# Altium PCB VESC_DEVICE_75100.PcbDoc (part 3 of 3)
Units mm, origin at the board's own origin, x right, y up, seen from the top; angles counter-clockwise.
Board outline 72 x 52 mm, 4 copper layers (TOP, LAYER_1, LAYER_2, BOTTOM), stack 1.578 mm thick; 217 components, 137 nets, 680 pads, 885 vias.
Unrouted connection lines stored in the file: 1.
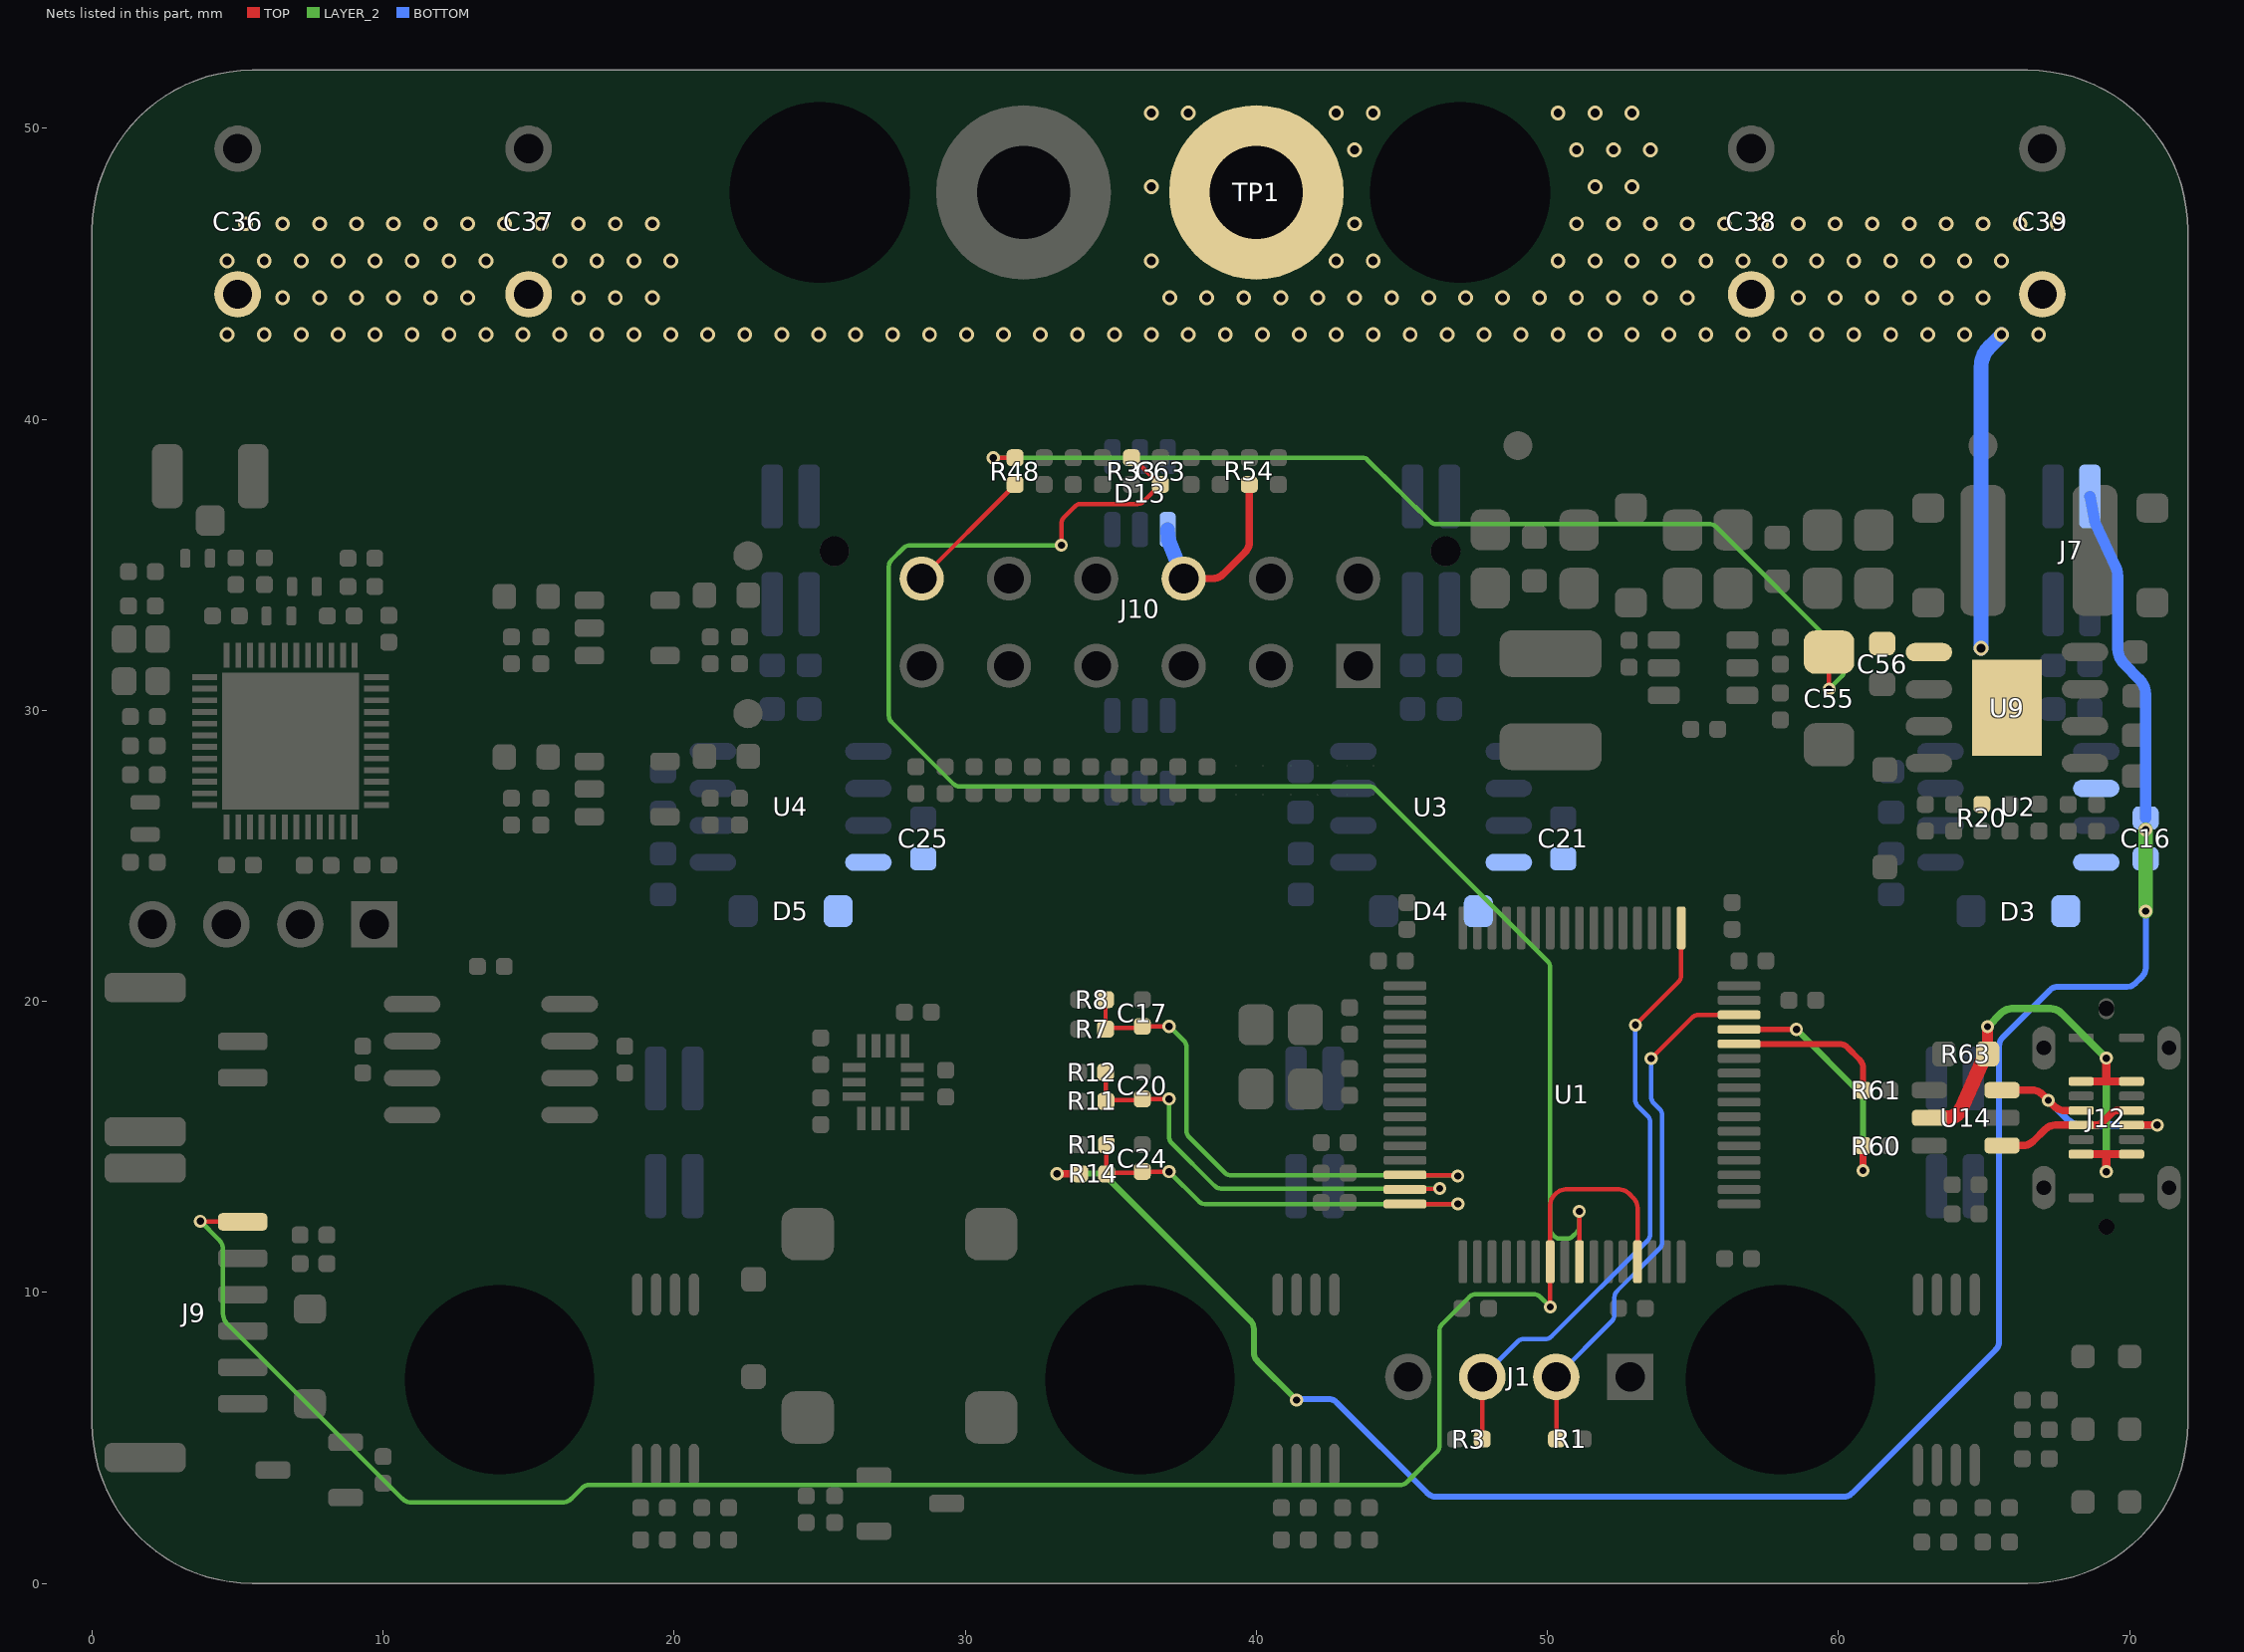
[diagram p5: the nets of this part, all layers, seen from the top]

## Via types
v1: diameter 0.508, hole 0.305, TOP to BOTTOM, tented both sides, 556 vias
v2: diameter 0.45, hole 0.25, TOP to BOTTOM, tented both sides, 325 vias
v3: diameter 0.65, hole 0.45, TOP to BOTTOM, tented both sides, 4 vias

## Nets (pads, with @x,y where several pads share a name; then routed paths per layer and width w, separated by ;. In a path a pad name is that pad's centre, name@x,y a point inside that pad or via, vN(x,y) a via of type N, cw(c..) or ccw(c..) an arc to the next point about the centre after c; other vN are vias at no path point) (continued)
SHC_G: C16.1 J7.2 R14.2 U2.6 | length 73.4
  TOP w0.254: v2(33.15,14.078) 33.152,14.076 33.93,14.076 R14.2@33.932,14.074
  LAYER_2 w0.203: v2(33.15,14.078) 34.579,14.078 cw(c34.579,13.671) 34.866,13.959 39.791,9.034 cw(c39.504,8.746) 39.91,8.746 39.91,7.935 ccw(c40.317,7.935) 40.029,7.648 v2(41.377,6.3)
  LAYER_2 w0.508: v2(70.551,23.1) v2(70.55,25.901)
  BOTTOM w0.203: v2(41.377,6.3) cw(c41.554,5.934) 41.554,6.341 42.467,6.341 cw(c42.467,5.934) 42.753,6.222 45.877,3.099 ccw(c46.163,3.387) 46.163,2.981 60.181,2.981 ccw(c60.181,3.387) 60.468,3.1 65.398,8.03 ccw(c65.11,8.317) 65.517,8.317 65.517,18.475 cw(c65.923,18.475) 65.635,18.762 67.26,20.387 cw(c67.547,20.099) 67.547,20.506 69.913,20.506 ccw(c69.913,20.912) 70.2,20.624 70.432,20.857 ccw(c70.145,21.144) 70.551,21.144 v2(70.551,23.1)
  BOTTOM w0.381: J7.2@68.635,37.35 68.815,36.44 69.521,34.933 cw(c68.831,34.61) 69.593,34.61 69.593,32.13 ccw(c70.355,32.13) 69.818,31.59 70.327,31.08 cw(c69.788,30.541) 70.55,30.541 70.55,26.501 C16.1@70.55,26.301
SWCLK: J1.3 R3.1 U1.49 | length 21.3
  TOP w0.152: R3.1@47.76,4.959 J1.3@47.76,7.1 ; v2(53.019,19.188) 54.505,20.675 ccw(c54.289,20.89) 54.594,20.89 U1.49@54.594,22.526
  BOTTOM w0.152: J1.3@47.76,7.1 48.971,8.311 cw(c49.186,8.095) 49.186,8.4 49.928,8.4 ccw(c49.928,8.705) 50.143,8.489 53.441,11.787 ccw(c53.225,12.002) 53.53,12.002 53.53,15.851 ccw(c53.225,15.851) 53.442,16.066 53.103,16.404 cw(c53.319,16.619) 53.014,16.619 53.014,19.139 cw(c53.319,19.138) v2(53.019,19.188)
SWDIO: J1.2 R1.1 U1.46 | length 18.3
  TOP w0.152: J1.2@50.3,7.1 50.304,7.096 50.304,4.963 R1.1@50.308,4.959 ; v2(53.561,18.038) 54.972,19.45 cw(c55.187,19.234) 55.187,19.538 U1.46@56.582,19.538
  BOTTOM w0.152: J1.2@50.3,7.1 52.212,9.012 ccw(c51.996,9.227) 52.301,9.227 52.301,9.832 cw(c52.606,9.832) 52.39,10.047 53.853,11.511 ccw(c53.637,11.726) 53.942,11.726 53.942,16.087 ccw(c53.637,16.087) 53.854,16.301 53.65,16.506 cw(c53.865,16.721) 53.561,16.721 v2(53.561,18.038)
SWITCH_SENSE: C63.1 R33.2 U1.25 | length 56.5
  TOP w0.152: v2(33.3,35.675) 33.3,36.42 cw(c33.605,36.42) 33.389,36.635 33.761,37.007 cw(c33.975,36.791) 33.975,37.095 35.913,37.095 ccw(c35.913,37.4) 36.128,37.184 C63.1@36.705,37.761 36.566,37.894 R33.2@35.85,38.578 ; R33.2@35.71,38.681 R33.2@35.849,38.579 ; U1.25@51.094,11.05 v2(51.094,12.786)
  LAYER_2 w0.152: v2(33.3,35.675) 28.1,35.675 ccw(c28.1,35.37) 27.885,35.586 27.463,35.164 ccw(c27.679,34.949) 27.374,34.949 27.374,29.815 ccw(c27.679,29.815) 27.463,29.6 29.584,27.479 ccw(c29.799,27.695) 29.799,27.39 43.872,27.39 cw(c43.872,27.086) 44.087,27.301 50.004,21.384 cw(c49.789,21.169) 50.094,21.169 50.094,12.195 ccw(c50.398,12.195) 50.182,11.98 50.228,11.934 ccw(c50.443,12.15) 50.443,11.845 50.66,11.845 ccw(c50.66,12.15) 50.875,11.934 51.005,12.064 ccw(c50.789,12.278) 51.094,12.278 v2(51.094,12.786)
THROTTLE_C: D13.4 J10.9 R54.1 | length 6.6
  TOP w0.254: J10.9@37.5,34.53 38.496,34.53 ccw(c38.496,35.038) 38.854,34.678 39.608,35.432 ccw(c39.248,35.79) 39.756,35.79 R54.1@39.756,37.761
  BOTTOM w0.508: D13.4@36.95,36.215 36.971,35.869 J10.9@37.5,34.53
TX_SCL_MOSI: J9.6 U1.23 U1.29 | length 67.8
  TOP w0.152: v2(3.719,12.446) ccw(c3.799,12.74) 3.799,12.436 4.475,12.436 J9.6@5.175,12.425 ; v2(50.094,9.5) 50.094,13.008 cw(c50.551,13.008) 50.227,13.33 50.302,13.405 cw(c50.624,13.081) 50.624,13.538 52.463,13.538 cw(c52.463,13.081) 52.786,13.405 52.96,13.231 cw(c52.636,12.908) 53.094,12.91 53.094,11.712 U1.29@53.094,11.05
  LAYER_2 w0.152: v2(3.719,12.446) 4.367,11.799 cw(c4.043,11.476) 4.5,11.476 4.5,9.256 ccw(c4.957,9.256) 4.633,8.934 10.654,2.913 ccw(c10.977,3.237) 10.977,2.78 16.147,2.78 ccw(c16.147,3.237) 16.47,2.913 16.85,3.293 cw(c17.065,3.077) 17.065,3.382 44.941,3.382 ccw(c44.941,3.686) 45.156,3.47 46.205,4.52 ccw(c45.989,4.735) 46.294,4.735 46.294,8.699 cw(c46.599,8.699) 46.383,8.914 47.322,9.853 cw(c47.537,9.637) 47.537,9.942 49.526,9.942 cw(c49.526,9.637) 49.741,9.853 v2(50.094,9.5)
USB_CON_M: J12.A7 J12.B7 U14.3 | length 7.9
  TOP w0.254: U14.3@65.618,16.95 66.081,16.95 66.645,16.95 cw(c66.645,16.442) 67.004,16.801 v2(67.206,16.6) 67.409,16.397 ccw(c67.766,16.758) 67.766,16.25 J12.A7@68.335,16.25 ; J12.B7@70.065,15.75 v2(70.948,15.75)
  BOTTOM w0.254: v2(67.206,16.6) 67.908,15.897 ccw(c68.266,16.258) 68.266,15.75 v2(70.948,15.75)
USB_CON_P: J12.A6 J12.B6 U14.1 | length 4.9
  TOP w0.254: U14.1@65.618,15.05 66.333,15.05 ccw(c66.333,15.558) 66.691,15.198 67.095,15.602 cw(c67.454,15.242) 67.454,15.75 68.866,15.75 ccw(c68.866,16.004) 69.045,15.824 69.397,16.176 cw(c69.576,15.996) 69.576,16.25 J12.B6@70.065,16.25
USB_DM: R61.1 U1.44 | length 5.4
  TOP w0.203: U1.44@56.582,18.538 60.016,18.538 cw(c60.016,18.132) 60.303,18.42 60.721,18.002 cw(c60.434,17.715) 60.84,17.715 R61.1@60.84,16.95
USB_DP: R60.1 U1.45 | length 8.6
  TOP w0.203: U1.45@56.582,19.038 v2(58.553,19.039)
  TOP w0.254: v2(60.84,14.188) R60.1@60.84,15.041
  LAYER_2 w0.203: v2(58.553,19.039) 60.721,16.87 cw(c60.434,16.583) 60.84,16.583 v2(60.84,14.188)
USB_V: J12.A4 J12.A9 J12.B4 J12.B9 R63.1 U14.5 | length 18
  TOP w0.279: J12.A4@68.335,14.75 69.2,14.75 ; J12.A9@68.335,17.25 69.2,17.25 ; v2(69.2,14.148) 69.2,14.75 ; v2(69.2,18.05) 69.2,17.25 ; J12.B9@70.065,14.75 69.2,14.75 ; J12.B4@70.065,17.25 69.2,17.25
  TOP w0.381: R63.1@65.12,18.194 v2(65.12,19.13)
  TOP w0.508: U14.5@63.123,16.005 63.752,16.005 ccw(c63.752,16.513) 64.217,16.308 64.971,18.016 R63.1@65.12,18.194
  LAYER_2 w0.254: v2(65.12,19.13) 65.592,19.602 cw(c65.95,19.242) 65.95,19.75 67.29,19.75 cw(c67.289,19.242) 67.648,19.601 69.05,18.2 v2(69.2,18.05) ccw(c69.708,18.04) 69.2,18.041 69.2,14.159 cw(c68.692,14.159) v2(69.2,14.148)
VB1: C25.2 D5.1 U4.8
VB2: C21.2 D4.1 U3.8
VB3: C16.2 D3.1 U2.8
VBAT: C36.1 C37.1 C38.1 C39.1 C55.1 C56.1 R20.2 R48.1 TP1.1 U9.1 U9.9 | length 46.6
  TOP w0.152: v2(30.963,38.681) R48.1@31.708,38.681 ; v2(59.674,30.73) 59.674,31.356 60.218,31.9 C55.1@60.274,31.9
  LAYER_2 w0.152: v2(30.963,38.681) 43.651,38.681 cw(c43.651,38.452) 43.811,38.615 45.993,36.47 ccw(c46.153,36.634) 46.151,36.405 55.575,36.405 cw(c55.575,36.176) 55.596,36.404 cw(c55.567,36.1) 55.783,36.316 60.118,31.981 cw(c59.956,31.819) 60.185,31.819 60.185,31.336 cw(c59.956,31.336) 60.118,31.174 v2(59.674,30.73)
  BOTTOM w0.508: v1(64.893,32.13) 64.893,41.781 cw(c65.909,41.781) 65.19,42.498 v1(65.602,42.91)
  other v1: 4.642,42.91 5.912,42.91 7.182,42.91 8.452,42.91 9.722,42.91 10.992,42.91 12.262,42.91 13.532,42.91 14.802,42.91 16.072,42.91 17.342,42.91 18.612,42.91 19.882,42.91 21.152,42.91 22.422,42.91 23.692,42.91 24.962,42.91 26.232,42.91 27.502,42.91 28.772,42.91 30.042,42.91 31.312,42.91 32.582,42.91 33.852,42.91 35.122,42.91 36.392,42.91 37.662,42.91 38.932,42.91 40.202,42.91 41.472,42.91 42.742,42.91 44.012,42.91 45.282,42.91 46.552,42.91 47.822,42.91 49.092,42.91 50.362,42.91 51.632,42.91 52.902,42.91 54.172,42.91 55.442,42.91 56.712,42.91 57.982,42.91 59.252,42.91 60.522,42.91 61.792,42.91 63.062,42.91 64.332,42.91 66.872,42.91 6.547,44.18 7.817,44.18 9.087,44.18 10.357,44.18 11.627,44.18 12.897,44.18 16.707,44.18 17.977,44.18 19.247,44.18 37.027,44.18 38.297,44.18 39.567,44.18 40.837,44.18 42.107,44.18 43.377,44.18 44.647,44.18 45.917,44.18 47.187,44.18 48.457,44.18 49.727,44.18 50.997,44.18 52.267,44.18 53.537,44.18 54.807,44.18 58.617,44.18 59.887,44.18 61.157,44.18 62.427,44.18 63.697,44.18 64.967,44.18 4.642,45.45 5.912,45.45 7.182,45.45 8.452,45.45 9.722,45.45 10.992,45.45 12.262,45.45 13.532,45.45 16.072,45.45 17.342,45.45 18.612,45.45 19.882,45.45 36.392,45.45 42.742,45.45 44.012,45.45 50.362,45.45 51.632,45.45 52.902,45.45 54.172,45.45 55.442,45.45 56.712,45.45 57.982,45.45 59.252,45.45 60.522,45.45 61.792,45.45 63.062,45.45 64.332,45.45 65.602,45.45 5.277,46.72 6.547,46.72 7.817,46.72 9.087,46.72 10.357,46.72 11.627,46.72 12.897,46.72 14.167,46.72 15.437,46.72 16.707,46.72 17.977,46.72 19.247,46.72 43.377,46.72 50.997,46.72 52.267,46.72 53.537,46.72 54.807,46.72 56.077,46.72 57.347,46.72 58.617,46.72 59.887,46.72 61.157,46.72 62.427,46.72 63.697,46.72 64.967,46.72 66.237,46.72 67.507,46.72 36.392,47.99 51.632,47.99 52.902,47.99 43.377,49.26 50.997,49.26 52.267,49.26 53.537,49.26 36.392,50.53 37.662,50.53 42.742,50.53 44.012,50.53 50.362,50.53 51.632,50.53 52.902,50.53
VEN: J10.12 R48.2 | length 4.6
  TOP w0.152: J10.12@28.5,34.53 cw(c28.759,34.369) 28.543,34.584 31.58,37.622 R48.2@31.708,37.761
VOLTAGE_A: C17.2 R7.1 R8.2 U1.14 | length 18.9
  TOP w0.152: R8.2@34.817,20.06 34.818,20.059 34.818,19.048 R7.1@34.82,19.046 34.867,19.093 36.033,19.093 C17.2@36.08,19.14 v2(37,19.14) ; U1.14@45.106,14.038 45.121,14.023 46.896,14.023 v2(46.919,14)
  LAYER_2 w0.152: v2@37.001,19.14 cw(c36.851,18.874) 37.067,19.09 37.51,18.647 cw(c37.294,18.432) 37.598,18.432 37.598,15.554 ccw(c37.903,15.554) 37.687,15.339 38.914,14.112 ccw(c39.129,14.328) 39.129,14.023 46.804,14.023 cw(c46.802,13.719) v2(46.919,14)
VOLTAGE_B: C20.2 R11.1 R12.2 U1.15 | length 15.8
  TOP w0.152: R12.2@34.817,17.567 34.823,17.561 34.823,16.573 R11.1@34.829,16.567 34.869,16.607 36.04,16.607 C20.2@36.08,16.647 v2(36.998,16.647) ; U1.15@45.106,13.538 45.121,13.554 46.284,13.554 v2(46.3,13.57)
  LAYER_2 w0.152: v2(36.998,16.647) 36.998,15.353 ccw(c37.303,15.353) 37.087,15.138 38.567,13.658 ccw(c38.782,13.875) 38.782,13.57 v2(46.3,13.57)
VOLTAGE_C: C24.2 R14.1 R15.2 U1.16 | length 15.4
  TOP w0.152: R15.2@34.845,15.074 34.848,15.07 34.848,14.078 R14.1@34.852,14.074 34.892,14.114 36.04,14.114 C24.2@36.08,14.154 36.082,14.152 36.998,14.152 v2(37,14.15) ; U1.16@45.106,13.038 v2(46.921,13.038)
  LAYER_2 w0.152: v2(37,14.15) 38.023,13.127 ccw(c38.238,13.343) 38.238,13.038 v2(46.921,13.038)
pads on no net: D13.1 D13.3 J10.13 J10.14 J12.1 J12.A8 J12.B8 TP3.1 TP4.1 TP5.1 TP6.1 TP7.1 U1.3 U1.4 U1.57 U5.1 U6.1 U7.1 U8.2 U8.3 U8.4 U8.5 U8.6 U8.8 U8.9 U8.10 U8.11 U8.14 U8.16 U8.18 U8.19 U8.20 U8.21 U8.22 U8.25 U8.26 U8.27 U8.28 U8.40 U8.41 U8.42 U8.43 U8.44 U8.47 U8.48 U9.4 U10.4 U12.4 U13.2 U13.3 U13.4 U13.9 U13.10 U13.11 U16.3 U16.4

## Polygon pours and split planes (outlines as drawn)
VBAT on TOP "VBAT_L01_P124" (solid, pour order 124): 3.8,41.778 68.6,41.778 68.6,47.6 53.8,47.6 53.8,52 35.8,52 35.8,43.8 20.54,43.8 20.54,47.6 3.8,47.6
NetC54_2 on TOP "NETC54_2_L01_P048" (solid, pour order 48): 70.471,31.23 67.795,31.23 ccw(c67.795,30.979) 67.544,30.979 67.544,30.335 ccw(c67.768,30.335) 67.768,30.111 71.08,30.111 ccw(c71.08,30.454) 71.422,30.454 71.423,34.191 ccw(c71.146,34.191) 71.146,34.468 70.035,34.468 cw(c70.035,34.798) 69.705,34.798 69.705,37.299 ccw(c69.01,37.299) 69.01,37.995 68.413,37.995 ccw(c68.413,37.368) 67.786,37.368 67.786,33.63 ccw(c68.439,33.629) 68.439,32.977 70.448,32.977 cw(c70.448,32.647) 70.778,32.647 70.778,31.536 cw(c70.471,31.536)
NetC64_1 on TOP "NETC64_1_L01_P044" (solid, pour order 44): 55.294,30.694 55.294,29.149 cw(c55.086,29.149) 55.086,28.941 52.919,28.941 ccw(c52.919,28.611) 52.59,28.611 52.59,27.993 cw(c52.344,27.993) 52.344,27.747 48.582,27.747 cw(c48.582,28.147) 48.182,28.147 48.182,29.347 cw(c48.582,29.348) 48.582,29.747 52.055,29.747 ccw(c52.055,30.037) 52.344,30.037 52.344,30.645 cw(c52.672,30.645) 52.672,30.973 55.015,30.973 cw(c55.015,30.694)
GND on TOP "GND_L01_P149" (solid, remove dead copper, pour order 149): 0,20.975 0,39.9 0,46.5 cw(c5.5,46.5) 5.5,52 66.5,52 cw(c66.5,46.5) 72,46.5 72,5.5 cw(c66.5,5.5) 66.5,0 5.5,0 cw(c5.5,5.5) 0,5.5
12V on TOP "TOP-12V" (solid, remove dead copper, pour order 126): 58.68,33.121 65.388,33.123 ccw(c65.388,33.58) 65.845,33.58 65.845,37.409 ccw(c65.24,37.409) 65.24,38.014 64.404,38.014 ccw(c64.404,37.498) 63.888,37.498 63.888,36.302 cw(c63.612,36.302) 63.612,36.026 62.803,36.026 ccw(c62.803,35.825) 62.603,35.825 62.603,35.302 cw(c62.296,35.302) 62.296,34.995 57.642,34.995 ccw(c57.642,34.665) 57.312,34.665 57.312,34.027 ccw(c57.513,34.027) 57.513,33.826 58.151,33.826 cw(c58.151,33.56) 58.417,33.56 58.417,33.384 ccw(c58.68,33.384)
NetC52_2 on TOP "TOP-NetC52_2" (solid, remove dead copper, pour order 77): 8.072,33.898 8.925,33.898 ccw(c8.925,34.121) 9.149,34.121 9.149,35.361 ccw(c8.925,35.361) 8.925,35.585 8.657,35.585 ccw(c8.657,35.361) 8.433,35.361 8.433,34.748 cw(c8.297,34.748) 8.297,34.612 7.629,34.612 7.598,34.612 ccw(c7.598,34.3) 7.286,34.3 7.286,33.384 cw(c6.347,33.384) 7.011,32.72 6.972,32.681 ccw(c7.095,32.558) 6.921,32.558 6.921,31.471 7.121,31.471 7.121,32.233 cw(c7.63,32.233) 7.27,32.593 7.468,32.791 ccw(c7.187,33.073) 7.585,33.073 7.585,33.353 cw(c8.073,33.353) 7.728,33.698 7.825,33.795 cw(c8.072,33.547)
VBAT on TOP "VBAT_L01_P046" (solid, pour order 46): 60.705,31.259 60.705,31.407 cw(c60.823,31.407) 60.823,31.526 61.436,31.526 64.114,31.526 cw(c64.114,31.123) 64.517,31.123 64.518,26.631 ccw(c64.668,26.631) 64.668,26.48 67.086,26.48 67.086,30.549 67.086,32.486 ccw(c66.646,32.487) 66.646,32.927 58.943,32.927 ccw(c58.943,32.713) 58.729,32.713 58.729,31.308 ccw(c58.978,31.308) 58.978,31.058 60.504,31.058 ccw(c60.504,31.259)
5V on TOP "5V_L01_P129" (solid, remove dead copper, pour order 129): 47.406,33.198 49.695,33.198 ccw(c49.695,33.518) 50.015,33.518 50.015,34.687 ccw(c49.72,34.687) 49.72,34.982 47.569,34.982 ccw(c47.569,34.596) 47.182,34.596 47.182,33.422 ccw(c47.406,33.422)
3V3 on TOP "NONET_L01_P-001" (solid, remove dead copper, pour order 130): 44.369,20.315 45.768,20.315 ccw(c45.768,20.454) 45.907,20.454 45.907,21.555 cw(c46.047,21.555) 46.047,21.695 47.195,21.695 ccw(c47.195,21.784) 47.284,21.784 47.284,23.274 ccw(c47.183,23.274) 47.183,23.374 46.973,23.374 ccw(c46.973,23.269) 46.868,23.269 46.868,22.92 cw(c46.764,22.919) 46.764,22.816 44.909,22.816 ccw(c44.909,22.668) 44.762,22.668 44.762,20.852 cw(c44.635,20.852) 44.635,20.725 44.412,20.725 ccw(c44.412,20.589) 44.276,20.589 44.276,20.408 ccw(c44.369,20.408)
NetC65_1 on TOP "NETC65_1_L01_P127" (solid, remove dead copper, pour order 127): 56.788,33.01 55.579,33.01 ccw(c55.579,32.725) 55.294,32.725 55.294,31.452 cw(c54.975,31.451) 54.974,31.132 52.462,31.132 cw(c52.462,31.271) 52.323,31.271 52.323,31.723 cw(c52.475,31.723) 52.475,31.875 54.534,31.875 ccw(c54.534,32.065) 54.724,32.065 54.724,32.808 ccw(c54.522,32.808) 54.522,33.01 54.069,33.01 cw(c54.069,33.237) 53.842,33.237 53.842,34.729 cw(c54.177,34.729) 54.177,35.064 57.137,35.064 57.137,33.358 cw(c56.788,33.358)
NetC67_1 on TOP "NETC67_1_L01_P045" (solid, pour order 45): 53.318,33.01 52.42,33.01 ccw(c52.42,32.662) 52.072,32.662 52.072,31.388 cw(c51.736,31.388) 51.736,31.051 48.689,31.051 cw(c48.689,31.483) 48.257,31.483 48.257,32.416 cw(c48.729,32.416) 48.729,32.888 50.018,32.888 ccw(c50.018,33.241) 50.371,33.241 50.371,34.636 cw(c50.806,34.636) 50.806,35.071 53.258,35.071 cw(c53.258,34.685) 53.644,34.685 53.644,33.336 cw(c53.318,33.336)
NetC69_1 on TOP "NETC69_1_L01_P078" (solid, pour order 78): 13.933,26.888 ccw(c14.187,26.888) 14.187,26.633 15.737,26.633 ccw(c15.737,26.833) 15.937,26.833 15.937,27.45 cw(c16.356,27.45) 16.356,27.87 17.46,27.87 cw(c17.46,27.54) 17.79,27.54 17.79,26.98 cw(c17.532,26.98) 17.532,26.722 16.741,26.722 ccw(c16.741,26.447) 16.467,26.447 16.467,26.253 ccw(c16.714,26.253) 16.714,26.005 17.924,26.005 ccw(c17.924,26.351) 18.27,26.351 18.27,28.69 ccw(c17.959,28.69) 17.959,29.001 15.622,29.001 ccw(c15.622,28.612) 15.233,28.611 15.233,27.711 cw(c14.973,27.711) 14.973,27.451 14.171,27.451 ccw(c14.17,27.214) 13.933,27.215
3V3_RF on TOP "3V3_RF_L01_P125" (solid, remove dead copper, pour order 125): 21.754,32.333 21.754,34.334 cw(c21.98,34.334) 21.98,34.559 22.647,34.559 cw(c22.647,34.337) 22.869,34.337 22.869,32.344 cw(c22.683,32.344) 22.683,32.157 21.93,32.157 cw(c21.93,32.333)
3V3 on TOP "3V3_L01_P108" (solid, remove dead copper, pour order 108): 21.921,26.731 21.921,28.731 cw(c22.147,28.731) 22.147,28.957 22.814,28.957 cw(c22.814,28.735) 23.037,28.735 23.037,26.742 cw(c22.85,26.742) 22.85,26.555 22.097,26.555 cw(c22.097,26.731)
NetC59_1 on TOP "NETC59_1_L01_P051" (solid, pour order 51): 14.237,32.151 15.629,32.151 ccw(c15.629,32.35) 15.829,32.351 15.829,33.174 cw(c16.041,33.174) 16.041,33.387 17.47,33.387 cw(c17.47,33.146) 17.711,33.146 17.711,32.531 cw(c17.451,32.531) 17.451,32.271 16.576,32.271 ccw(c16.576,32.006) 16.311,32.006 16.311,31.754 ccw(c16.562,31.754) 16.562,31.502 17.818,31.502 ccw(c17.818,31.847) 18.162,31.847 18.162,34.164 ccw(c17.808,34.164) 17.808,34.518 15.514,34.518 ccw(c15.514,34.129) 15.125,34.129 15.125,33.228 cw(c14.865,33.228) 14.865,32.968 14.276,32.968 ccw(c14.276,32.735) 14.043,32.735 14.043,32.345 ccw(c14.237,32.345)
NetC71_1 on TOP "NETC71_1_L01_P105" (solid, pour order 105): 20.654,27.364 20.656,26.755 ccw(c20.852,26.755) 20.851,26.56 21.524,26.56 ccw(c21.524,26.772) 21.736,26.772 21.736,28.496 ccw(c21.273,28.496) 21.273,28.96 19.351,28.96 ccw(c19.351,28.692) 19.083,28.691 19.083,27.933 ccw(c19.382,27.933) 19.382,27.634 20.383,27.634 cw(c20.383,27.363)
NetC61_1 on TOP "NETC61_1_L01_P049" (solid, pour order 49): 20.501,32.964 20.504,32.355 ccw(c20.699,32.356) 20.698,32.161 21.372,32.161 ccw(c21.372,32.373) 21.584,32.373 21.583,34.097 ccw(c21.12,34.097) 21.12,34.561 19.198,34.561 ccw(c19.198,34.292) 18.93,34.292 18.93,33.534 ccw(c19.229,33.534) 19.229,33.235 20.23,33.235 cw(c20.23,32.963)
NetL2_1 on TOP "NETL2_1_L01_P073" (solid, pour order 73): 6.521,31.471 6.521,34.534 cw(c6.716,34.534) 6.716,34.73 6.964,34.73 cw(c6.964,34.554) 7.14,34.554 7.14,34.016 cw(c6.763,34.016) 7.098,33.843 ccw(c7.641,33.562) 7.03,33.562 7.03,32.979 cw(c6.803,32.979) 6.963,32.818 6.838,32.693 ccw(c7.119,32.412) 6.721,32.412 6.721,31.471
NetC49_2 on TOP "NETC49_2_L01_P072" (solid, pour order 72): 2.035,34.409 2.303,34.409 ccw(c2.303,34.633) 2.527,34.633 2.527,34.723 cw(c2.675,34.723) 2.675,34.871 3.295,34.871 ccw(c3.295,35.038) 3.463,35.038 3.463,35.531 ccw(c3.304,35.531) 3.304,35.69 2.552,35.69 2.136,35.69 ccw(c2.136,35.365) 1.812,35.365 1.812,34.633 ccw(c2.035,34.633)
3V3 on TOP "3V3_L01_P037" (solid, pour order 37): 62.5,1.287 62.5,4.756 cw(c62.653,4.756) 62.653,4.908 63.49,4.908 cw(c63.49,4.755) 63.643,4.755 63.643,3.451 cw(c63.456,3.451) 63.455,3.263 63.364,3.263 ccw(c63.364,3.13) 63.23,3.13 63.23,1.299 cw(c63.061,1.299) 63.061,1.13 62.657,1.13 cw(c62.657,1.287)
3V3 on TOP "3V3_L01_P012" (solid, pour order 12): 40.5,1.367 40.5,4.756 cw(c40.653,4.756) 40.653,4.908 41.49,4.908 cw(c41.49,4.755) 41.643,4.755 41.643,3.451 cw(c41.456,3.451) 41.455,3.263 41.364,3.263 ccw(c41.364,3.13) 41.23,3.13 41.23,1.38 cw(c41.061,1.38) 41.061,1.21 40.657,1.21 cw(c40.657,1.367)
3V3 on TOP "3V3_L01_P038" (solid, pour order 38): 18.488,1.368 18.488,4.757 cw(c18.64,4.757) 18.641,4.91 19.477,4.91 cw(c19.477,4.756) 19.631,4.756 19.631,3.452 cw(c19.423,3.452) 19.423,3.244 19.352,3.264 ccw(c19.352,3.131) 19.218,3.131 19.218,1.379 cw(c19.049,1.379) 19.049,1.21 18.645,1.21 cw(c18.645,1.368)
3V3_RF on TOP "3V3_RF_L01_P074" (solid, pour order 74): 5.121,31.471 3.953,31.471 cw(c3.953,31.603) 3.82,31.603 3.82,33.432 cw(c3.924,33.432) 3.924,33.536 4.403,33.536 cw(c4.403,33.418) 4.521,33.418 4.521,32.651 ccw(c4.851,32.65) 4.851,32.321 5.121,32.321
NetC47_1 on TOP "NETC47_1_L01_P071" (solid, remove dead copper, pour order 71): 3.736,35.093 3.736,35.359 cw(c3.992,35.359) 3.992,35.615 6.038,35.615 cw(c6.038,35.374) 6.279,35.374 6.279,34.996 cw(c6.075,34.996) 6.075,34.792 4.037,34.792 cw(c4.037,35.093)
NetC47_2 on TOP "NETC47_2_L01_P069" (solid, pour order 69): 6.321,31.471 6.321,34.534 ccw(c6.126,34.534) 6.126,34.73 5.803,34.73 ccw(c5.803,34.54) 5.613,34.54 5.613,34.035 ccw(c5.823,34.035) 5.675,33.887 5.74,33.822 cw(c5.565,33.646) 5.813,33.646 5.813,32.979 ccw(c6.04,32.979) 5.879,32.818 6.005,32.693 cw(c5.724,32.412) 6.121,32.412 6.121,31.471
VBAT on BOTTOM "VBAT_L04_P120" (solid, remove dead copper, pour order 120): 3.8,41.778 68.6,41.778 68.6,47.6 53.8,47.6 53.8,52 35.8,52 35.8,43.8 20.54,43.8 20.54,47.6 3.8,47.6
GND on BOTTOM "GND_L04_P151" (solid, remove dead copper, pour order 151): 0,20.975 0,39.9 0,46.5 cw(c5.5,46.5) 5.5,52 66.5,52 cw(c66.5,46.5) 72,46.5 72,5.5 cw(c66.5,5.5) 66.5,0 5.5,0 cw(c5.5,5.5) 0,5.5
VB1 on BOTTOM "VB1_L04_P084" (solid, pour order 84): 25.034,22.696 25.034,24.599 cw(c25.641,24.599) 25.641,25.206 27.987,25.206 ccw(c27.987,25.28) 28.061,25.28 28.061,25.327 cw(c28.285,25.327) 28.285,25.551 29.014,25.551 cw(c29.014,25.285) 29.28,25.285 29.28,24.717 cw(c28.454,24.717) 29.038,24.134 27.606,22.701 cw(c26.855,23.452) 26.855,22.39 25.339,22.39 cw(c25.339,22.696)
VB3 on BOTTOM "VB3_L04_P093" (solid, pour order 93): 67.155,22.664 67.155,24.01 cw(c68.099,24.01) 67.432,24.678 67.989,25.235 cw(c68.56,24.665) 68.56,25.472 70.837,25.472 cw(c70.837,25.211) 71.098,25.211 71.098,24.586 cw(c70.863,24.586) 70.863,24.351 69.147,24.351 ccw(c69.147,23.85) 68.792,24.205 68.648,24.06 ccw(c69.025,23.683) 68.492,23.683 68.492,22.617 cw(c68.278,22.616) 68.277,22.402 67.417,22.402 cw(c67.417,22.664)
NetR13_2 on BOTTOM "NETR13_2_L04_P083" (solid, pour order 83): 23.089,30.626 23.68,30.626 cw(c23.68,30.344) 23.962,30.344 23.962,28.52 ccw(c24.838,28.52) 24.218,27.9 25.305,26.813 ccw(c25.882,27.391) 25.882,26.574 27.307,26.574 cw(c27.307,26.314) 27.568,26.314 27.568,25.831 cw(c27.305,25.831) 27.305,25.568 25.219,25.568 cw(c25.219,26.575) 24.507,25.863 23.102,27.268 cw(c23.788,27.954) 22.818,27.954 22.818,30.354 cw(c23.089,30.354)
12V on BOTTOM "12V_L04_P150" (solid, pour order 150): 61.299,24.583 62.513,24.583 cw(c62.513,24.326) 62.695,24.508 62.757,24.445 ccw(c62.912,24.6) 62.912,24.381 63.591,24.381 cw(c63.591,24.052) 63.92,24.051 63.92,22.742 ccw(c64.289,22.742) 64.29,22.373 64.81,22.373 ccw(c64.81,22.742) 65.179,22.742 65.179,24.856 ccw(c64.503,24.856) 64.503,25.533 62.632,25.533 cw(c62.632,25.776) 62.388,25.776 62.388,26.855 ccw(c62.211,26.855) 62.211,27.032 61.201,27.032 ccw(c61.201,26.927) 61.096,26.927 61.096,24.786 ccw(c61.299,24.786)
12V on BOTTOM "12V_L04_P148" (solid, pour order 148): 41.121,24.583 42.335,24.583 cw(c42.335,24.326) 42.517,24.508 42.579,24.445 ccw(c42.734,24.6) 42.734,24.381 43.413,24.381 cw(c43.413,24.052) 43.742,24.051 43.742,22.742 ccw(c44.111,22.742) 44.112,22.373 44.632,22.373 ccw(c44.632,22.742) 45.001,22.742 45.001,24.856 ccw(c44.325,24.856) 44.325,25.533 42.454,25.533 cw(c42.454,25.776) 42.21,25.776 42.21,26.855 ccw(c42.033,26.855) 42.033,27.032 41.023,27.032 ccw(c41.023,26.927) 40.918,26.927 40.918,24.786 ccw(c41.121,24.786)
12V on BOTTOM "12V_L04_P085" (solid, pour order 85): 19.139,24.583 20.353,24.583 cw(c20.353,24.326) 20.535,24.508 20.598,24.445 ccw(c20.753,24.6) 20.753,24.381 21.431,24.381 cw(c21.431,24.052) 21.761,24.051 21.761,22.742 ccw(c22.13,22.742) 22.13,22.373 22.651,22.373 ccw(c22.651,22.742) 23.02,22.742 23.02,24.856 ccw(c22.343,24.856) 22.343,25.533 20.472,25.533 cw(c20.472,25.776) 20.229,25.776 20.229,26.855 ccw(c20.051,26.855) 20.051,27.032 19.042,27.032 ccw(c19.042,26.927) 18.937,26.927 18.937,24.786 ccw(c19.139,24.786)
VB2 on BOTTOM "VB2_L04_P143" (solid, pour order 143): 48.362,22.651 48.362,23.88 cw(c48.652,23.88) 48.652,24.17 50.859,24.17 ccw(c50.859,24.444) 51.133,24.444 51.133,25.293 ccw(c50.905,25.293) 50.905,25.52 49.921,25.52 ccw(c49.921,25.349) 49.75,25.349 49.75,25.268 cw(c49.658,25.268) 49.658,25.176 47.593,25.175 ccw(c47.593,24.569) 46.986,24.569 46.986,22.666 ccw(c47.292,22.666) 47.292,22.36 48.071,22.36 ccw(c48.071,22.651)
GL_C on BOTTOM "GL_C_L04_P098" (solid, pour order 98): 69.179,31.247 69.179,34.695 ccw(c68.904,34.695) 68.904,34.97 68.382,34.97 ccw(c68.382,34.687) 68.1,34.687 68.1,31.248 ccw(c68.36,31.248) 68.36,30.988 68.92,30.988 ccw(c68.92,31.247)
SHC_G on BOTTOM "SHC_G_L04_P096" (solid, pour order 96): 69.96,26.508 69.96,25.858 ccw(c70.204,25.858) 70.204,25.614 70.886,25.614 ccw(c70.886,25.825) 71.097,25.825 71.097,27.515 ccw(c70.714,27.515) 70.714,27.899 68.147,27.899 ccw(c68.147,27.677) 67.925,27.677 67.925,26.987 ccw(c68.142,26.987) 68.142,26.77 69.697,26.77 cw(c69.697,26.508)
NetR6_2 on BOTTOM "NETR6_2_L04_P092" (solid, pour order 92): 69.662,28.191 68.247,28.191 cw(c68.247,28.471) 67.967,28.471 67.967,30.257 cw(c68.411,30.257) 68.411,30.701 69.591,30.701 cw(c69.591,30.378) 69.914,30.378 69.914,28.443 cw(c69.662,28.443)
NetR10_2 on BOTTOM "NETR10_2_L04_P091" (solid, pour order 91): 47.22,30.483 47.22,29.354 ccw(c47.492,29.354) 47.491,29.082 49.461,29.076 cw(c49.46,28.831) 49.706,28.83 49.706,28.376 cw(c49.474,28.375) 49.474,28.143 46.831,28.143 cw(c46.831,28.859) 46.115,28.859 46.115,30.452 cw(c46.3,30.452) 46.3,30.637 47.066,30.637 cw(c47.066,30.483)
SHB_G on BOTTOM "SHB_G_L04_P095" (solid, pour order 95): 49.837,26.524 49.837,25.948 ccw(c49.997,25.948) 49.997,25.789 50.927,25.789 ccw(c50.927,25.943) 51.081,25.943 51.081,27.595 ccw(c50.818,27.595) 50.818,27.858 47.964,27.858 ccw(c47.964,27.6) 47.706,27.6 47.706,27 ccw(c47.983,27) 47.983,26.724 49.638,26.724 cw(c49.638,26.524)
NetR9_2 on BOTTOM "NETR9_2_L04_P090" (solid, pour order 90): 45.066,30.632 45.76,30.632 cw(c45.76,30.454) 45.937,30.454 45.937,28.528 ccw(c46.614,28.528) 46.136,28.049 47.459,26.726 ccw(c47.893,27.161) 47.893,26.546 49.397,26.546 cw(c49.397,26.354) 49.589,26.354 49.589,25.709 cw(c49.399,25.709) 49.399,25.52 47.325,25.52 cw(c47.325,26.08) 46.928,25.684 45.133,27.479 cw(c45.762,28.108) 44.873,28.108 44.873,30.438 cw(c45.066,30.438)
NetR5_2 on BOTTOM "NETR5_2_L04_P088" (solid, pour order 88): 66.872,26.312 66.872,30.528 cw(c67.045,30.528) 67.045,30.701 67.699,30.701 cw(c67.699,30.561) 67.84,30.56 67.84,26.838 ccw(c68.04,26.838) 67.898,26.696 68.021,26.574 ccw(c68.182,26.735) 68.182,26.507 69.594,26.507 cw(c69.594,26.281) 69.819,26.281 69.819,25.869 cw(c69.553,25.868) 69.553,25.602 67.549,25.602 cw(c67.549,26.026) 67.249,25.726 67.02,25.955 cw(c67.377,26.312)
GH_A on BOTTOM "GH_A_L04_P142" (solid, pour order 142): 23.904,31.247 23.904,34.695 ccw(c23.629,34.695) 23.629,34.97 23.107,34.97 ccw(c23.107,34.687) 22.825,34.687 22.825,31.248 ccw(c23.085,31.248) 23.085,30.988 23.645,30.988 ccw(c23.645,31.247)
GL_A on BOTTOM "GL_A_L04_P141" (solid, pour order 141): 25.174,31.247 25.174,34.695 ccw(c24.899,34.695) 24.899,34.97 24.377,34.97 ccw(c24.377,34.687) 24.095,34.687 24.095,31.248 ccw(c24.355,31.248) 24.355,30.988 24.915,30.988 ccw(c24.915,31.247)
GH_B on BOTTOM "GH_B_L04_P140" (solid, pour order 140): 45.904,31.247 45.904,34.695 ccw(c45.629,34.695) 45.629,34.97 45.107,34.97 ccw(c45.107,34.687) 44.825,34.687 44.825,31.248 ccw(c45.085,31.248) 45.085,30.988 45.645,30.988 ccw(c45.645,31.247)
GL_B on BOTTOM "GL_B_L04_P138" (solid, pour order 138): 47.174,31.247 47.174,34.695 ccw(c46.899,34.695) 46.899,34.97 46.377,34.97 ccw(c46.377,34.687) 46.095,34.687 46.095,31.248 ccw(c46.355,31.248) 46.355,30.988 46.915,30.988 ccw(c46.915,31.247)
GH_C on BOTTOM "GH_C_L04_P123" (solid, pour order 123): 67.904,31.247 67.904,34.695 ccw(c67.629,34.695) 67.629,34.97 67.107,34.97 ccw(c67.107,34.687) 66.825,34.687 66.825,31.248 ccw(c67.085,31.248) 67.085,30.988 67.645,30.988 ccw(c67.645,31.247)
NetR16_2 on BOTTOM "NETR16_2_L04_P082" (solid, pour order 82): 25.17,30.432 25.17,29.565 ccw(c25.422,29.565) 25.422,29.313 27.33,29.313 cw(c27.33,28.961) 27.682,28.961 27.682,28.457 cw(c27.312,28.457) 27.312,28.087 24.984,28.087 cw(c24.984,28.557) 24.651,28.225 24.271,28.605 cw(c24.674,29.008) 24.104,29.008 24.104,30.389 cw(c24.336,30.389) 24.336,30.621 24.981,30.621 cw(c24.981,30.432)
SHA_G on BOTTOM "SHA_G_L04_P089" (solid, pour order 89): 25.956,26.856 27.73,26.856 cw(c27.73,26.649) 27.937,26.649 27.937,26.106 ccw(c28.212,26.106) 28.212,25.831 29.056,25.831 ccw(c29.056,26.087) 29.312,26.087 29.312,27.616 ccw(c29.101,27.616) 29.101,27.827 25.99,27.827 ccw(c25.99,27.587) 25.75,27.587 25.75,27.061 ccw(c25.956,27.061)
12V on BOTTOM "12V_L04_P101" (solid, pour order 101): 62.185,34.352 62.185,35.561 cw(c62.715,35.561) 62.715,36.091 63.452,36.091 cw(c63.452,35.569) 63.974,35.569 63.974,34.354 cw(c63.427,34.354) 63.427,33.807 62.73,33.807 cw(c62.73,34.352)
VBAT on LAYER_1 "VBAT_L02_P118" (solid, pour order 118): 3.8,41.778 68.6,41.778 68.6,47.6 53.8,47.6 53.8,52 35.8,52 35.8,43.8 20.54,43.8 20.54,47.6 3.8,47.6
GND on LAYER_1 "GND_L02_P121" (solid, remove dead copper, pour order 121): 0,20.975 0,39.9 0,46.5 cw(c5.5,46.5) 5.5,52 66.5,52 cw(c66.5,46.5) 72,46.5 72,5.5 cw(c66.5,5.5) 66.5,0 5.5,0 cw(c5.5,5.5) 0,5.5
VBAT on LAYER_2 "VBAT_L03_P107" (solid, pour order 107): 3.8,41.778 68.6,41.778 68.6,47.6 53.8,47.6 53.8,52 35.8,52 35.8,43.8 20.54,43.8 20.54,47.6 3.8,47.6
GND on LAYER_2 "GND_L03_P122" (solid, remove dead copper, pour order 122): -0.222,21.093 -0.222,40.018 -0.222,46.618 cw(c5.278,46.618) 5.278,52.118 66.278,52.118 cw(c66.278,46.618) 71.778,46.618 71.778,5.618 cw(c66.278,5.618) 66.278,0.118 5.278,0.118 cw(c5.278,5.618) -0.222,5.618

## Keep-outs
Keep-Out Layer:
  lines w0.127: 66.5,52 cw(c66.5,46.5) 72,46.5 72,5.5 cw(c66.5,5.5) 66.5,0 5.5,0 cw(c5.5,5.5) 0,5.5 0,46.5 cw(c5.5,46.5) 5.5,52 66.5,52 ; 66.5,52 66.5,52

## Other copper
TOP:
  text "MAX 100A" at 33.968,0.713 h1.52
  text "PS 25/4/30" at 9.635,0.4 h0.8

## Silkscreen, mask and mechanical layers (free items; w line width, h text height)
Top Overlay:
  circle w0.305: c23.025,16.7 r0.178
  lines w0.127: 21.831,17.202 21.925,17.296 ; 21.933,16.11 ccw(c21.225,16.7) 21.925,17.3 22.125,17.3 ; 22.489,17.75 ccw(c23.025,18.5) 23.625,17.8 ; 23.527,17.894 23.621,17.8 23.625,17.8 ; 23.625,17.6 23.625,17.8
  lines w0.152: 21.625,16.5 21.425,16.7 21.625,16.9 ; 22.825,18.1 23.025,18.3 23.225,18.1
  lines w0.2: 21.501,16.7 23.025,16.7 23.025,18.224
  text "GND" at 22.7,42.127 h2.54
  text "MAX 75V" at 31.8,42.026 h2.54
  text "VBAT" at 44.2,42.027 h2.54
  text "5V" at 49.801,38.713 h1.27
  text "12V" at 65.801,38.713 h1.27
  text "3.3V_RF" at 16.4,35.437 h1.27
  text "3.3V" at 17.1,29.313 h1.27
  text "3.3V" at 44.87,27.808 h1.27
  text "5V" at 45.319,26.633 h1.27
  text "H" at 39.495,25.554 h1.27
  text "P1" at 41.175,25.562 h1.27
  text "P2" at 42.984,25.562 h1.27
  text "75100 / V6" at 27.469,21.407 h3
  text "USB" at 67.52,21.05 h1.5
  text "x" at 23.891,18.83 h1.27 r180
  text "Y" at 21.125,17.111 h1.02
  text "CAN" at 8.162,16.095 h1.78 r90
  text "Z" at 22.825,15.398 h1.02
  text "R" at 70.78,8.57 h1.27
  text "GPIO" at 10.264,6.162 h1.78 r90
  text "G" at 70.691,6.07 h1.27
  text "B" at 70.691,3.635 h1.27
  text "GND" at 43.9,3.438 h1.27
  text "CLK" at 46.8,3.438 h1.27
  text "DIO" at 49.4,3.438 h1.27
  text "3.3V" at 51.7,3.438 h1.27
  text "Logic Board" at 47.085,0.861 h2.03
Top Solder:
  region: 33.933,2.952 37.833,2.952 37.833,0.652 33.933,0.652 33.933,2.533
  lines w0.254: 33.806,0.552 37.951,0.552 37.951,3.042 33.806,3.042 33.806,0.552
Bottom Solder:
  lines w0.762: 0.94,41.606 0.94,43.384 ; 0.94,45.056 0.94,46.834 ; 1.331,48.503 2.588,49.76 ; 2.472,47.232 3.73,48.489 ; 2.546,41.051 2.546,42.829 ; 2.56,44.12 2.56,45.898 ; 4.103,51.026 5.881,51.026 ; 4.669,46.72 6.447,46.72 ; 4.683,42.382 6.461,42.382 ; 7.158,44.543 8.936,44.543 ; 7.316,48.865 9.094,48.865 ; 8.09,51.026 9.868,51.026 ; 8.495,42.382 10.273,42.382 ; 8.495,46.72 10.273,46.72 ; 10.994,44.543 12.772,44.543 ; 11.114,48.865 12.892,48.865 ; 12.122,51.026 13.9,51.026 ; 12.322,46.72 14.1,46.72 ; 12.342,42.382 14.12,42.382 ; 16.148,42.382 17.926,42.382 ; 16.169,46.72 17.947,46.72 ; 16.169,51.026 17.947,51.026 ; 17.011,44.543 18.789,44.543 ; 18.228,48.865 20.006,48.865 ; 19.974,42.382 21.752,42.382 ; 20.255,51.026 22.033,51.026 ; 23.801,42.382 25.579,42.382 ; 27.627,42.382 29.405,42.382 ; 31.454,42.382 33.232,42.382 ; 35.28,42.382 37.058,42.382 ; 37.182,43.877 38.96,43.877 ; 39.103,42.382 40.881,42.382 ; 41.09,43.877 42.868,43.877 ; 42.925,42.382 44.703,42.382 ; 44.896,43.877 46.674,43.877 ; 46.78,42.382 48.558,42.382 ; 49.465,44.543 51.243,44.543 ; 50.192,51.026 51.97,51.026 ; 50.627,42.382 52.405,42.382 ; 50.906,46.72 52.684,46.72 ; 51.369,48.845 53.147,48.845 ; 53.275,44.543 55.053,44.543 ; 54.412,46.72 56.19,46.72 ; 54.432,42.382 56.21,42.382 ; 54.545,51.026 56.323,51.026 ; 58.238,46.72 60.016,46.72 ; 58.238,51.026 60.016,51.026 ; 58.258,42.382 60.036,42.382 ; 59.06,48.888 60.838,48.888 ; 59.512,44.543 61.29,44.543 ; 61.925,51.026 63.703,51.026 ; 62.084,42.382 63.862,42.382 ; 62.084,46.72 63.862,46.72 ; 62.924,48.861 64.702,48.861 ; 63.338,44.543 65.116,44.543 ; 65.63,51.026 67.408,51.026 ; 65.891,46.72 67.669,46.72 ; 65.893,42.382 67.671,42.382 ; 68.426,48.698 69.683,47.44 ; 69.464,50.072 70.721,48.815 ; 69.503,44.415 69.503,46.193 ; 69.521,41.362 69.521,43.14 ; 71.125,41.897 71.125,43.675 ; 71.125,45.357 71.125,47.135
DESIGN_OUTLINE:
  circle w0.127: c40,47.8 r1.6
  circle w0.127: c32,47.8 r1.6
  circle w0.127: c25,47.8 r3.1
  circle w0.127: c58,7 r3.1
  circle w0.127: c36,7 r3.1
  circle w0.127: c14,7 r3.1
  circle w0.127: c47,47.8 r3.1
  lines w0.127: 0,5.5 ccw(c5.5,5.5) 5.5,0 66.5,0 ccw(c66.5,5.5) 72,5.5 72,46.5 ccw(c66.5,46.5) 66.5,52 5.5,52 ccw(c5.5,46.5) 0,46.5 0,5.5
Drill Drawing:
  circle w0.254: c3.372,64.871 r0.7
  circle w0.254: c3.372,61.722 r0.42
  circle w0.254: c3.372,61.722 r0.7
  lines w0.254: 2.673,67.32 3.372,67.67 4.072,67.32 3.722,68.019 4.072,68.719 3.372,68.369 2.673,68.719 3.023,68.019 2.673,67.32 ; 2.673,71.168 3.372,70.468 4.072,71.168 3.372,71.868 2.673,71.168 ; 2.673,73.617 4.072,73.617 4.072,75.016 2.673,75.016 2.673,73.617 ; 2.673,76.765 3.372,77.115 4.072,76.765 3.722,77.465 4.072,78.165 3.372,77.815 2.673,78.165 3.023,77.465 2.673,76.765 ; 2.673,80.264 3.023,80.264 3.023,79.914 3.722,79.914 3.722,80.264 4.072,80.264 4.072,80.963 3.722,80.963 3.722,81.313 3.023,81.313 3.023,80.963 2.673,80.963 2.673,80.264 ; 2.673,84.462 4.072,84.462 3.372,83.062 2.673,84.462 ; 2.673,87.61 4.072,87.61 3.372,86.211 2.673,87.61 ; 2.673,89.709 3.023,89.709 3.372,89.359 3.722,89.709 4.072,89.709 3.722,90.059 4.072,90.409 3.722,90.409 3.372,90.759 3.023,90.409 2.673,90.409 3.023,90.059 2.673,89.709 ; 2.673,92.858 3.023,92.858 3.372,92.508 3.722,92.858 4.072,92.858 3.722,93.208 4.072,93.557 3.722,93.557 3.372,93.907 3.023,93.557 2.673,93.557 3.023,93.208 2.673,92.858 ; 2.673,95.656 4.072,95.656 4.072,97.056 2.673,97.056 2.673,95.656 ; 2.953,77.045 3.372,77.255 3.792,77.045 3.582,77.465 3.792,77.885 3.372,77.675 2.953,77.885 3.163,77.465 2.953,77.045 ; 2.953,84.182 3.792,84.182 3.372,83.342 2.953,84.182 ; 2.953,92.998 3.163,92.998 3.372,92.788 3.582,92.998 3.792,92.998 3.582,93.208 3.792,93.417 3.582,93.417 3.372,93.627 3.163,93.417 2.953,93.417 3.163,93.208 2.953,92.998 ; 2.953,95.936 3.792,95.936 3.792,96.776 2.953,96.776 2.953,95.936
  lines w0.381: 1.404,60.078 107.784,60.078 ; 1.404,97.86 107.784,97.86 ; 9.5,56.93 9.5,101.009 ; 16.908,56.93 16.908,101.009 ; 31.555,56.93 31.555,101.009 ; 37.834,56.93 37.834,101.009 ; 46.976,56.93 46.976,101.009 ; 59.481,56.93 59.481,101.009 ; 66.97,56.93 66.97,101.009 ; 76.756,56.93 76.756,101.009 ; 90.646,56.93 90.646,101.009 ; 1.404,56.93 107.784,56.93 107.784,101.009 1.404,101.009 1.404,56.93
  text "Symbol" at 3.293,98.805 h1.83
  text "Count" at 10.445,98.805 h1.83
  text "Hole Size" at 17.853,98.805 h1.83
  text "Plated" at 32.5,98.805 h1.83
  text "Hole Type" at 38.779,98.805 h1.83
  text "Drill Layer Pair" at 47.92,98.805 h1.83
  text "Via/Pad" at 60.425,98.805 h1.83
  text "Pad Shape" at 67.914,98.805 h1.83
  text "Hole Length" at 77.7,98.805 h1.83
  text "Routed Path Length" at 91.591,98.805 h1.83
  text "1" at 10.445,95.656 h1.52
  text "20.87mil (0.530mm)" at 17.853,95.656 h1.52
  text "NPTH" at 32.5,95.656 h1.52
  text "Slot" at 38.779,95.656 h1.52
  text "TOP - BOTTOM" at 47.92,95.656 h1.52
  text "Pad" at 60.425,95.656 h1.52
  text "Rounded" at 67.914,95.656 h1.52
  text "28.74mil (0.730mm)" at 77.7,95.656 h1.52
  text "7.87mil (0.200mm)" at 91.591,95.656 h1.52
  text "1" at 10.445,92.508 h1.52
  text "21.65mil (0.550mm)" at 17.853,92.508 h1.52
  text "NPTH" at 32.5,92.508 h1.52
  text "Round" at 38.779,92.508 h1.52
  text "TOP - BOTTOM" at 47.92,92.508 h1.52
  text "Pad" at 60.425,92.508 h1.52
  text "Rounded" at 67.914,92.508 h1.52
  text "-" at 77.7,92.508 h1.52
  text "-" at 91.591,92.508 h1.52
  text "2" at 10.445,89.359 h1.52
  text "40.16mil (1.020mm)" at 17.853,89.359 h1.52
  text "NPTH" at 32.5,89.359 h1.52
  text "Round" at 38.779,89.359 h1.52
  text "TOP - BOTTOM" at 47.92,89.359 h1.52
  text "Pad" at 60.425,89.359 h1.52
  text "Rounded" at 67.914,89.359 h1.52
  text "-" at 77.7,89.359 h1.52
  text "-" at 91.591,89.359 h1.52
  text "2" at 10.445,86.211 h1.52
  text "125.98mil (3.200mm)" at 17.853,86.211 h1.52
  text "PTH" at 32.5,86.211 h1.52
  text "Round" at 38.779,86.211 h1.52
  text "TOP - BOTTOM" at 47.92,86.211 h1.52
  text "Pad" at 60.425,86.211 h1.52
  text "Rounded" at 67.914,86.211 h1.52
  text "-" at 77.7,86.211 h1.52
  text "-" at 91.591,86.211 h1.52
  text "2" at 10.445,83.062 h1.52
  text "244.10mil (6.200mm)" at 17.853,83.062 h1.52
  text "NPTH" at 32.5,83.062 h1.52
  text "Round" at 38.779,83.062 h1.52
  text "TOP - BOTTOM" at 47.92,83.062 h1.52
  text "Pad" at 60.425,83.062 h1.52
  text "Rounded" at 67.914,83.062 h1.52
  text "-" at 77.7,83.062 h1.52
  text "-" at 91.591,83.062 h1.52
  text "3" at 10.445,79.914 h1.52
  text "255.91mil (6.500mm)" at 17.853,79.914 h1.52
  text "NPTH" at 32.5,79.914 h1.52
  text "Round" at 38.779,79.914 h1.52
  text "TOP - BOTTOM" at 47.92,79.914 h1.52
  text "Pad" at 60.425,79.914 h1.52
  text "Rounded" at 67.914,79.914 h1.52
  text "-" at 77.7,79.914 h1.52
  text "-" at 91.591,79.914 h1.52
  text "4" at 10.445,76.765 h1.52
  text "17.72mil (0.450mm)" at 17.853,76.765 h1.52
  text "PTH" at 32.5,76.765 h1.52
  text "Round" at 38.779,76.765 h1.52
  text "TOP - BOTTOM" at 47.92,76.765 h1.52
  text "Via" at 60.425,76.765 h1.52
  text "Rounded" at 67.914,76.765 h1.52
  text "-" at 77.7,76.765 h1.52
  text "-" at 91.591,76.765 h1.52
  text "4" at 10.445,73.617 h1.52
  text "19.69mil (0.500mm)" at 17.853,73.617 h1.52
  text "PTH" at 32.5,73.617 h1.52
  text "Slot" at 38.779,73.617 h1.52
  text "TOP - BOTTOM" at 47.92,73.617 h1.52
  text "Pad" at 60.425,73.617 h1.52
  text "Rounded" at 67.914,73.617 h1.52
  text "27.56mil (0.700mm)" at 77.7,73.617 h1.52
  text "7.87mil (0.200mm)" at 91.591,73.617 h1.52
  text "12" at 10.445,70.468 h1.52
  text "40.16mil (1.020mm)" at 17.853,70.468 h1.52
  text "PTH" at 32.5,70.468 h1.52
  text "Round" at 38.779,70.468 h1.52
  text "TOP - BOTTOM" at 47.92,70.468 h1.52
  text "Pad" at 60.425,70.468 h1.52
  text "(Mixed)" at 67.914,70.468 h1.52
  text "-" at 77.7,70.468 h1.52
  text "-" at 91.591,70.468 h1.52
  text "16" at 10.445,67.32 h1.52
  text "39.37mil (1.000mm)" at 17.853,67.32 h1.52
  text "PTH" at 32.5,67.32 h1.52
  text "Round" at 38.779,67.32 h1.52
  text "TOP - BOTTOM" at 47.92,67.32 h1.52
  text "Pad" at 60.425,67.32 h1.52
  text "(Mixed)" at 67.914,67.32 h1.52
  text "-" at 77.7,67.32 h1.52
  text "-" at 91.591,67.32 h1.52
  text "325" at 10.445,64.171 h1.52
  text "9.84mil (0.250mm)" at 17.853,64.171 h1.52
  text "PTH" at 32.5,64.171 h1.52
  text "Round" at 38.779,64.171 h1.52
  text "TOP - BOTTOM" at 47.92,64.171 h1.52
  text "Via" at 60.425,64.171 h1.52
  text "Rounded" at 67.914,64.171 h1.52
  text "-" at 77.7,64.171 h1.52
  text "-" at 91.591,64.171 h1.52
  text "556" at 10.445,61.023 h1.52
  text "12.00mil (0.305mm)" at 17.853,61.023 h1.52
  text "PTH" at 32.5,61.023 h1.52
  text "Round" at 38.779,61.023 h1.52
  text "TOP - BOTTOM" at 47.92,61.023 h1.52
  text "Via" at 60.425,61.023 h1.52
  text "Rounded" at 67.914,61.023 h1.52
  text "-" at 77.7,61.023 h1.52
  text "-" at 91.591,61.023 h1.52
  text "928 Total" at 10.445,57.874 h1.52
  text "Slot definitions :" at 3.293,55.67 h1.52
  text "Routed Path Length" at 13.657,55.67 h1.52
  text "= Calculated from tool start centre position to tool end centre position." at 26.5,55.67 h1.52
  text "Hole Length" at 13.657,54.411 h1.52
  text "= Routed Path Length + Tool Size = Slot length as defined in the PCB layout" at 21.733,54.411 h1.52

## Dimensions
66.5,0 to 66.5,52 on ASSEMBLY_TOP
0,5.5 to 72,5.5 on ASSEMBLY_TOP